# Altium PCB TestMod_SEAx.PcbDoc (part 2 of 3) (continued)
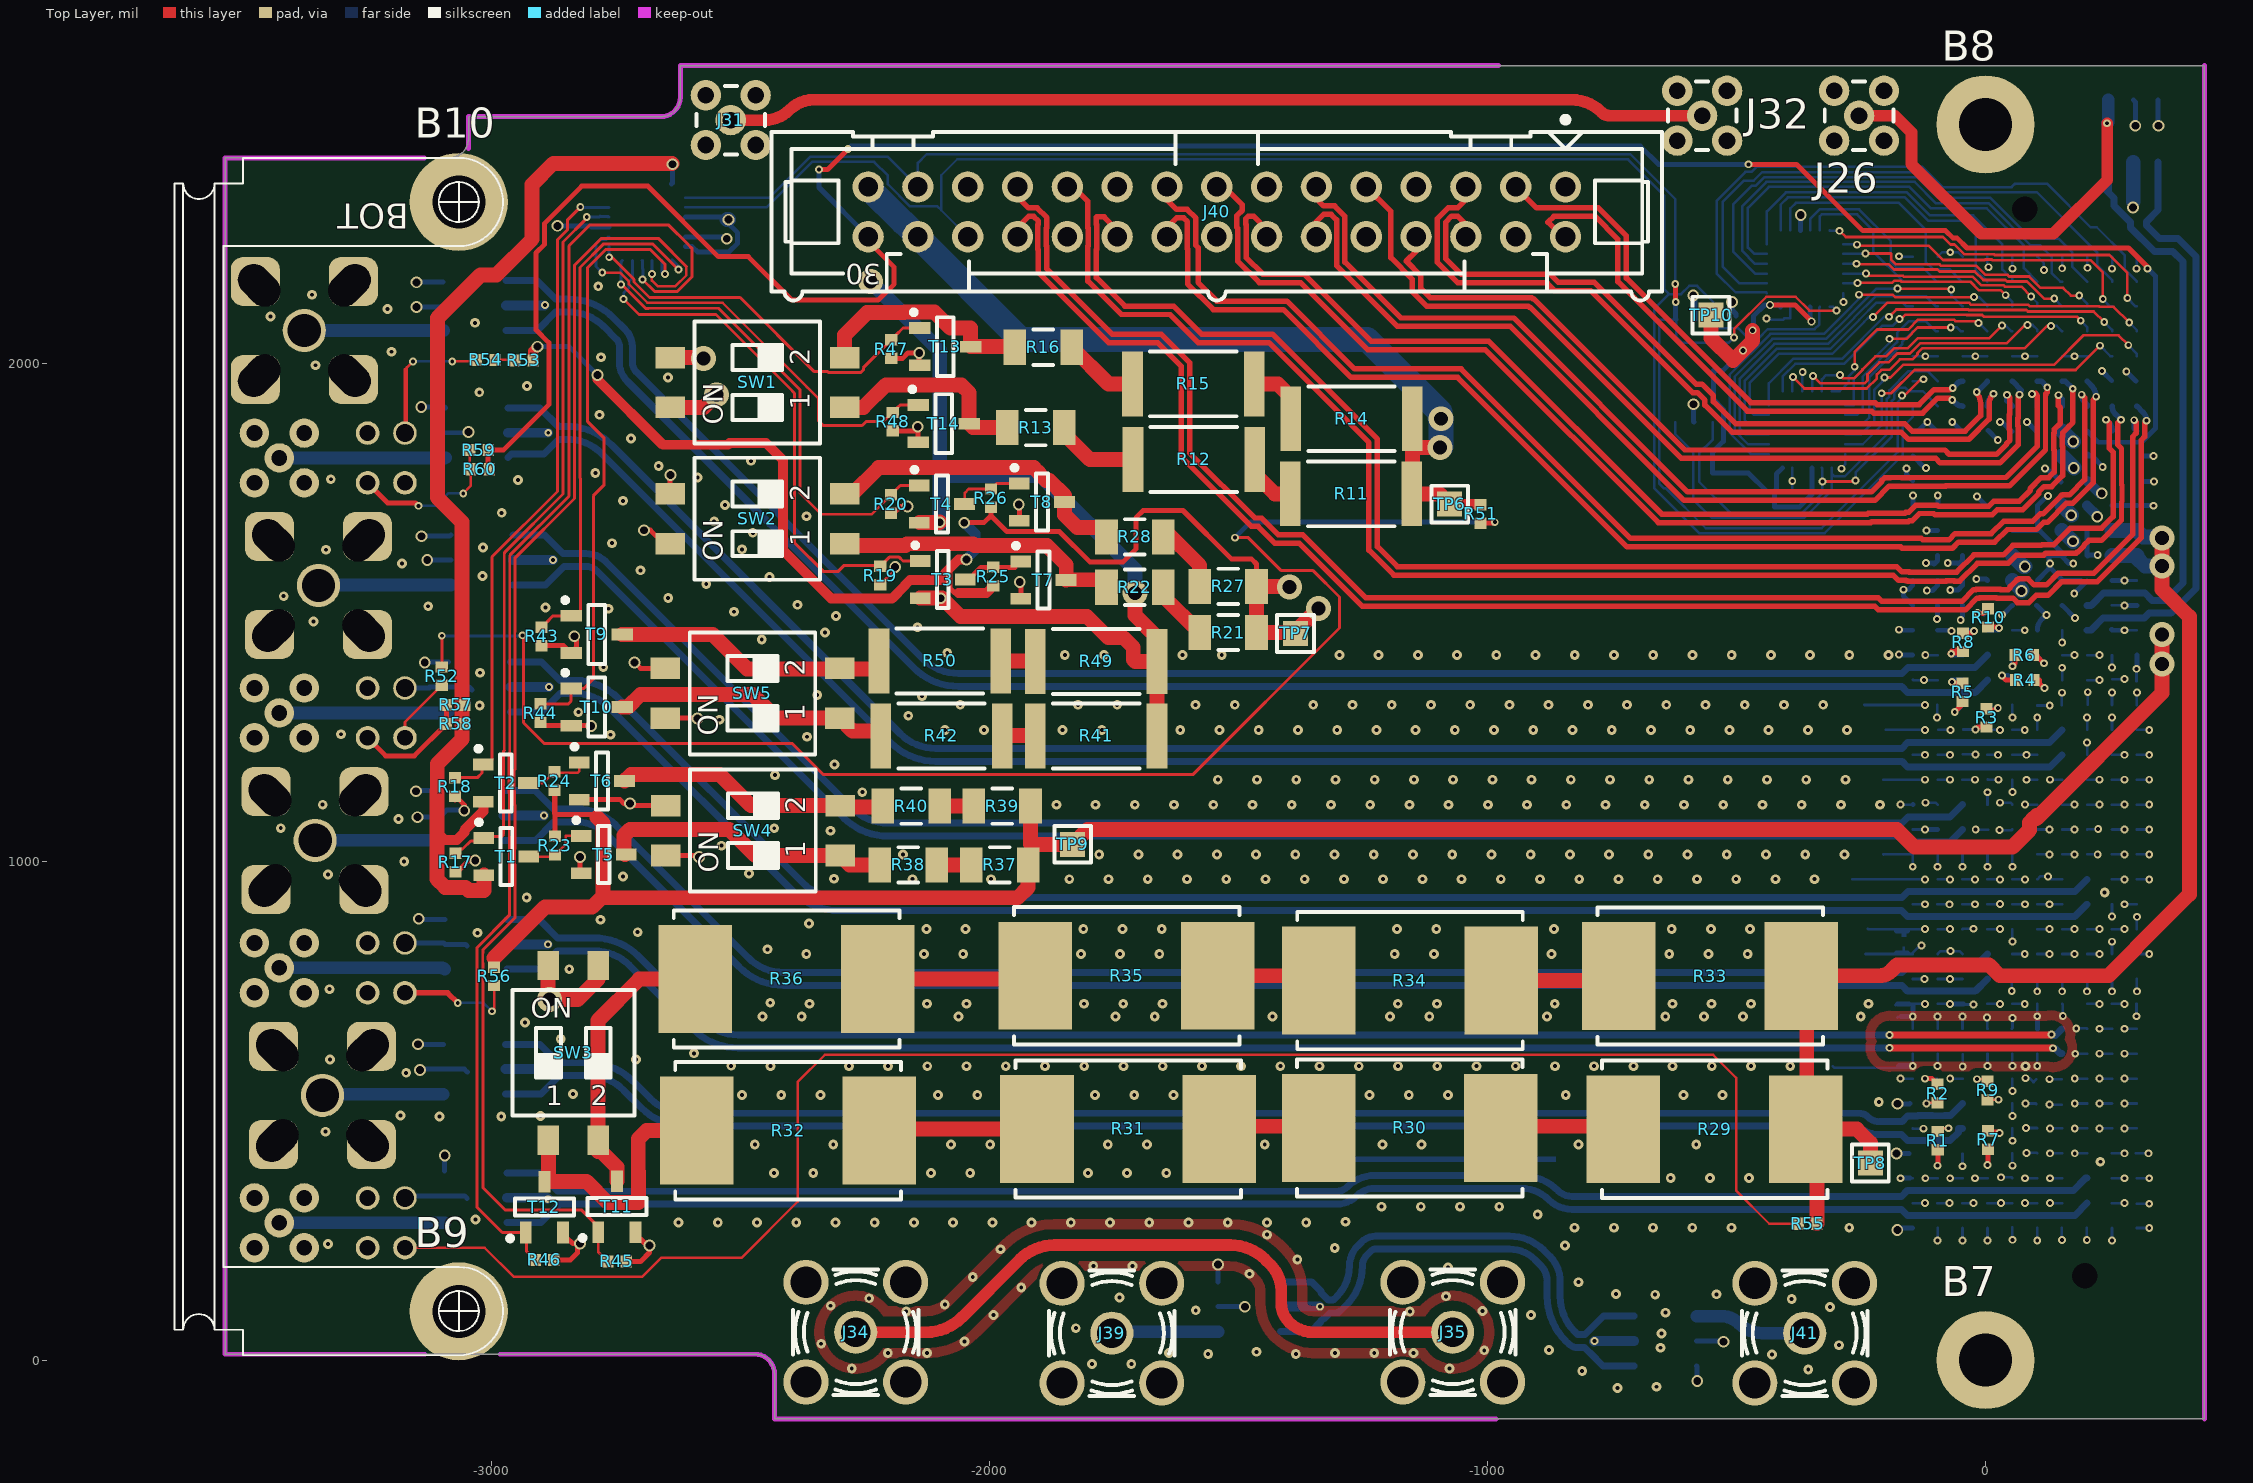
[diagram p0: Top Layer view]
## Nets (pads, with @x,y where several pads share a name; then routed paths per layer and width w, separated by ;. In a path a pad name is that pad's centre, name@x,y a point inside that pad or via, vN(x,y) a via of type N, cw(c..) or ccw(c..) an arc to the next point about the centre after c; other vN are vias at no path point) (continued)
  Bottom Layer w10: LD6.1@-3176.22,329.95 -3053.42,329.95 -3048.26,324.79 ; LD7.1@-3173.03,1349.21 -3124.04,1349.21 ; LD8.1@-3170.1,837.47 -3095.67,837.47 TR2.2@-3092.93,834.73 -3051.51,834.73 -3048,831.22 ; v3(-3151,1142) -3149.55,1143.45 TR6.1@-3099.93,1143.45 ; v3(-3150,2163.53) cw(c-3148.47,2162) -3148.47,2164.17 TR8.1@-3097.08,2164.17 ; v3(-3149.77,2114.17) TR8.2@-3097.08,2114.17 ; v3(-3148,1090) -3103.38,1090 TR6.2@-3099.93,1093.45 -3089.38,1104 -3055,1104 v3(-3054,1103) ; v3@-3146.97,633.97 TR5.1@-3095.93,633.97 ; v3(-3145.37,886) -3144.1,884.73 TR2.1@-3092.93,884.73 ; v3(-3142.74,582.35) -3141.12,583.97 TR5.2@-3095.93,583.97 -3053.67,583.97 -3047.7,578 ; v3(-3140.41,1913.25) -3093.29,1913.25 TR4.1@-3091.67,1911.64 ; v3(-3140,1654) -3083.09,1654 TR7.1@-3080.93,1656.16 ; v3(-3133.26,1400.68) -3122.57,1400.68 -3121.99,1401.27 TR3.1@-3085.97,1401.27 ; v3(-3128.23,1606.45) -3127.93,1606.16 TR7.2@-3080.93,1606.16 ; -3124.04,1351.27 TR3.2@-3085.97,1351.27 -3044.34,1351.27 -3038.33,1345.26 ; TR1.1@-3093.93,379.95 -3093.93,409.82 v3(-3093,410.75) ; TR4.2@-3091.67,1861.64 -3046.73,1861.64 v3(-3045.36,1863) ; v3(-2867,2277) -2866.87,2277.13 -2800.6,2277.13 -2798.08,2274.61 IC2.9@-2763.78,2274.61 ; v3@-2835,1453 v3(-2833,1453) ; IC2.23@-2610.24,2254.92 -2530.92,2254.92 v3(-2527,2251) ; TR21.2@-1540.95,107.28 v3(-1487,107.28) ; TR21.1@-1540.95,157.28 v3(-1540.95,192) ; v3(-587,2137) -586.37,2137 -583.66,2134.29 IC1.2@-583.66,2088.58 ; v3(-586.63,1919) -586.63,1883.87 IC5.2@-585.63,1882.87 ; TR22.1@-580.12,-11.61 -579,-12.73 v3(-579,-42) ; TR22.2@-580.12,38.39 -527.39,38.39 v3(-526,37) ; v3(-509,2124) -509,2110 -510,2109 -500.98,2099.98 C45.1@-500.98,2096.46 ; IC4.9@-372.05,2267.71 -372.05,2297.95 v3(-371,2299) ; -179.16,817 J22.k12@-156.9,817 ; -178.98,861 J22.k13@-156.71,861 ; v3(-178.65,414.65) -154.07,414.65 J22.k4@-153.91,414.8 ; v3(-177.16,261) -173,265.16 J22.k1@-146.26,265.16 ; v3(-177,514.65) -152.42,514.65 J22.k6@-152.26,514.8 ; -176.47,714.8 J22.k10@-154.21,714.8 ; -175.19,591 v2@-152.92,591 ; v2@-174.24,366 J22.k3@-151.98,366 ; -171.11,690 v2@-148.84,690 ; v2@-168.53,1415.16 J22.k24@-146.26,1415.16 ; v2@-168.53,1465.16 J22.k25@-146.26,1465.16 ; v2(-159,1790) -159,1777.9 J22.k31@-146.26,1765.16 ; J22.k18@-146.26,1115.16 J22.k18@-145.74,1115.16 ; J22.k26@-146.26,1515.16 -165,1533.9 v2(-165,1546.58) -154.94,1546.58 -146.26,1555.26 J22.k27@-146.26,1565.16 ; J22.k30@-146.26,1715.16 -146,1715.42 v2(-146,1736) ; J22.k32@-146.26,1815.16 -122.1,1791 v2(-120,1791) ; J22.k33@-146.26,1865.16 -135.32,1865.16 v2(-117,1883.48) J22.j33@-97.47,1863.95 ; v2@-145.56,688.82 J22.k10@-145.56,711.09 ; v2(-121.46,1065.16) J22.j17@-96.26,1065.16 ; v2(-119.56,1600) -105.52,1600 -103.52,1598 -96.26,1605.26 J22.j28@-96.26,1615.16 ; v2(-118.53,1665.16) J22.j29@-96.26,1665.16 ; v2(-118,1545) -106.52,1545 -96.26,1555.26 J22.j27@-96.26,1565.16 ; J22.j25@-96.26,1465.16 v2@-74,1465.16 ; v2@-96.26,1492.9 J22.j26@-96.26,1515.16 ; J22.j30@-96.26,1715.16 -96,1715.42 v2(-96,1736) ; v2(-76,1600) -55.52,1600 -53.52,1598 -46.26,1605.26 J22.h28@-46.26,1615.16 ; v2(-71,1546) -55.52,1546 -46.26,1555.26 J22.h27@-46.26,1565.16 ; v2@-69.26,714.8 -45.91,714.8 -44.68,714.8 J22.h10@-44.53,714.96 ; v2(-67,1883.48) J22.h33@-47.47,1863.95 ; J22.h25@-46.26,1465.16 v2@-24,1465.16 ; -46.26,1493.74 J22.h26@-46.26,1516 ; v2(-18.7,1568) 0.9,1568 J22.g27@3.74,1565.16 ; v2(-17,1733.48) J22.g30@2.53,1713.95 ; v2(-16,1500) -5.52,1500 -3.52,1498 3.74,1505.26 J22.g26@3.74,1515.16 ; J22.g33@4.95,1866.37 v2(24.47,1846.84) ; v2(29,1883) 33.48,1883 J22.f33@52.53,1863.95 ; v2(33,1496.21) 34.79,1496.21 J22.f26@53.74,1515.16 ; J22.f29@53.74,1665.16 J22.e29@103.74,1665.16 ; v2(83,1883.48) J22.e33@102.53,1863.95 ; J22.e26@102,1515.29 121.29,1496 113.14,1487.85 ccw(c135.83,1465.16) J22.e25@103.74,1465.16 ; J22.e9@103.74,665.16 v2(103.74,690.35) ; J22.e27@103.74,1565.16 127.07,1588.49 ; J22.e28@103.74,1615.16 125.84,1615.16 ; v2(119,1790) 122.58,1790 130.58,1782 140.94,1773.85 J22.d31@151.75,1763.04 ; v2(125,1735) 123.57,1735 J22.e30@103.74,1715.16 J22.e29@103.74,1665.16 ; v2(129.58,1599) 129.58,1591 ; J22.d26@153.74,1515.16 v2(179.37,1489.53) cw(c177.84,1488) v2@180,1488 ; J22.d27@153.74,1565.16 191.05,1565.16 J22.c27@191.55,1564.66 ; J22.d27@154,1566 129.58,1590.42 129.58,1591 ; v2(176,1599) 167.57,1599 153.74,1612.83 J22.d28@153.74,1615.16 ; v2(177.98,1538.79) J22.c27@203.61,1564.42 ; J22.c29@203.74,1665.16 J22.c28@203.74,1615.16 204.95,1613.95 207.12,1616.12 v2(225,1616.12) ; J22.c32@203.74,1815.16 J22.c32@208.94,1815.16 ; J22.c32@204.98,1819.12 J22.c32@208.94,1815.16 ; v2(233.69,1985.53) J22.b35@253.22,1966 ; v2(235,1793) 235,1793.69 213.54,1815.16 J22.c32@208.94,1815.16 ; J22.b25@253,1467 cw(c251.22,1465.22) J22.b25@253.74,1465.16 J22.b25@253.74,1465.16 v2(278.93,1465.16) ; J22.b27@253.74,1565.16 v2(278.93,1565.16) ; J22.b30@253.74,1715.16 J22.a30@303.74,1715.16 ; v2(278.54,1515.16) J22.a26@303.74,1515.16 ; v2(282.43,1984.69) J22.a35@301.96,1965.16 ; TR11.2@296.41,2529.86 300.58,2525.69 v3(300.58,2478) ; v2(303,1387.81) ccw(c301.22,1389.59) 303.74,1389.59 J22.a24@303.74,1415.16 ; J22.a30@315,1715.16 v2(337.26,1715.16) ; J22.a32@315,1815.16 v2(337.26,1815.16) ; J22.a31@316,1764 v2(338.26,1764) ; TR11.1@346.41,2529.86 346.41,2479.43 ccw(c348.43,2479.43) v3(347,2478) ; J22.e29@103.74,1665.16 108.84,1665.16 158.84,1615.16 J22.d28@153.74,1615.16 ; 125.84,1615.16 J22.d28@153.74,1615.16 ; 125.84,1615.16 127.07,1613.93 127.07,1590.33 ; 127.08,1588.5 ccw(c123.93,1591.63) 128.37,1591.63 127.07,1590.33 ; 127.08,1588.5 129.58,1591 ; 127.07,1588.49 127.07,1590.33
  Bottom Layer w20: TR6.5@-2974.73,1093.45 v2(-2894,1093.45) ; TR5.5@-2970.73,583.97 v2(-2888,583.97) ; TR8.5@-2970.4,2117 v2@-2893,2117 ; TR1.5@-2968.4,326 -2887.71,326 -2886,324.29 v2(-2886,323) ; TR2.5@-2967.73,834.73 v2@-2886.81,834.73 ; TR4.5@-2966.47,1861.64 v2(-2885.36,1861.64) ; TR3.5@-2960.77,1351.27 v2(-2884,1351.27) ; TR7.5@-2955.73,1606.16 -2876.3,1606.16 v2(-2876.15,1606.31) v2@-2876,1606.45 ; TR21.5@-1415.75,107.28 v2@-1337.28,107.28 ; v2@-786,37.39 v2(-785,38.39) TR22.5@-705.32,38.39
  Bottom Layer w30: 296.41,2326.03 TR11.5@296.41,2404.66
  other v1: -739.15,-56.18 -660.46,-53.41 -809.9,-21.6 -355.98,-18.64 -2276.13,-16.55 -1076.15,-16.79 -1793.61,-7.49 -1714.87,-7.85 -428.77,11.39 -1560.66,12.54 -1384.7,12.54 -2203.69,14.3 -2124.95,14.32 -1639.38,14.54 -1305.98,14.3 -1227.24,14.3 -1148.5,14.3 -1463.33,16.69 -1006.37,19.69 -876.43,20.51 -652.45,24.92 -294.07,30.02 -2337.47,32.83 -2049.59,37.15 -650.82,53.61 -1826.34,64.12 -1991.59,90.4 -912.46,90.52 -642.38,95.25 -2166.81,97.91 -1155.79,97.91 -1010.16,98.33 -1585.62,100.03 -312.17,106.65 -2318.41,109.23 -2089.28,111.66 -389.31,122.42 -2241.08,124.06 -1738.74,125.85 -1083.06,128.09 -663.29,131.35 -742.02,132.57 -539.93,132.11 -1935.91,146.08 -817.03,156.53 -2033.25,166.98 -1477.87,173.29 -1079.15,186.08 -1791.21,189.2 -1712.47,189.2 -1381.69,201.82 -1977.57,222.66 -1306.56,225.38 -844.63,230.28 -3327.23,232.84 -1442.56,251.78 -824.97,265.86 -746.23,265.86 -667.49,265.86 -588.75,265.86 -510.01,265.86 -273.79,265.86 -2623.76,276.08 -2545.02,276.08 -2466.28,276.08 -2387.54,276.08 -2308.8,276.08 -2230.06,276.08 -2151.32,276.08 -2072.58,276.08 -1993.84,276.08 -1915.1,276.08 -1836.36,276.08 -1757.62,276.08 -1678.88,276.08 -1600.14,276.08 -1521.4,276.08 -1442.66,276.08 -1363.92,276.08 -1285.19,277.78 -3031.34,282.61 -899.18,292.21 -1212.52,308.08 -1133.78,308.08 -1055.04,308.08 -976.3,308.08 -632.18,365.7 -553.44,365.7 -474.7,365.7 -2432.07,375.92 -2353.33,375.92 -2117.11,375.92 -2038.37,375.92 -1802.15,375.92 -1723.41,375.92 -1644.67,375.92 230.31,398.18 -2470.69,432.7 -2313.21,432.7 -2076.99,432.7 -1998.25,432.7 -1762.03,432.7 -1683.29,432.7 -1447.07,432.7 -1210.85,432.7 -1132.11,432.7 -817.15,432.7 -580.93,432.7 -3332.61,458.56 -3103.51,489.23 -2979.72,489.23 -2900.99,489.79 -3182.22,491.22 -214.33,518.01 -2496.44,532.53 -2417.7,532.53 -2338.96,532.53 -2102.74,532.53 -2024,532.53 -1787.78,532.53 -1709.04,532.53 -1630.3,532.53 -1236.6,532.53 -1157.86,532.53 -1079.12,532.53 -842.9,532.53 -606.67,532.53 -527.93,532.53 -2835.86,534.05 -3170.5,576.72 -2439.37,590.08 -2281.89,590.08 -2203.15,590.08 -2124.41,590.08 -2045.67,590.08 -1966.93,590.08 -1888.19,590.08 -1809.45,590.08 -1730.71,590.08 -1651.97,590.08 -1573.23,590.08 -1494.49,590.08 -1415.75,590.08 -1337.01,590.08 -1258.27,590.08 -1179.53,590.08 -1100.79,590.08 -1022.05,590.08 -943.31,590.08 -864.57,590.08 -785.83,590.08 -707.09,590.08 -628.35,590.08 -549.61,590.08 -470.87,590.08 -392.13,590.08 80.31,590.08 -2518.11,590.76 -3323.39,603.22 -2709.4,603.43 -2592.71,615.95 -2860.38,644.56 -2931.73,677.85 -2455.33,689.92 -2376.58,689.92 -2061.62,689.92 -1746.66,689.92 -1667.92,689.92 -1431.7,689.92 -1195.48,689.92 -1116.74,689.92 -880.52,689.92 -643,689.92 -565.56,689.92 -486.82,689.92 -250.6,689.92 -2361.02,715.36 -2124.8,715.36 -2046.06,715.36 -1809.84,715.36 -1731.1,715.36 -1652.36,715.36 -1179.92,715.36 -1101.18,715.36 -864.96,715.36 -628.74,715.36 -550,715.36 -471.26,715.36 -235.04,715.36 -2439.74,717.45 -3324.74,744.65 -2843.21,784.81 -2367.35,815.2 -2131.13,815.2 -2052.39,815.2 -1816.17,815.2 -1737.43,815.2 -1658.69,815.2 -1186.25,815.2 -1107.51,815.2 -871.29,815.2 -635.07,815.2 -556.33,815.2 -477.59,815.2 -2445.52,824.62 -3027.2,857.76 -2705.77,859.1 -2126.27,865.64 -2047.53,865.64 -1811.31,865.64 -1732.57,865.64 -1653.83,865.64 -1181.39,865.64 -1102.65,865.64 -866.43,865.64 -630.21,865.64 -551.47,865.64 -472.73,865.64 -2361.73,876.54 -2780.47,884.02 -2928.63,928.6 239.03,938.61 -2154.29,965.48 -1996.81,965.48 -1839.33,965.48 -1760.59,965.48 -1681.85,965.48 -1603.11,965.48 -1524.37,965.48 -1445.63,965.48 -1366.89,965.48 -1288.15,965.48 -1209.41,965.48 -1130.67,965.48 -1051.93,965.48 -973.19,965.48 -894.45,965.48 -815.71,965.48 -736.97,965.48 -658.23,965.48 -579.49,965.48 -500.75,965.48 -422.01,965.48 -343.27,965.48 -2311.77,966.37 -2735.59,970.61 -3327.7,974.83 -2482.19,976.98 -3174.59,1000.7 -2173.11,1015.08 -1779.41,1015.08 -1700.66,1015.08 -1621.92,1015.08 -1543.18,1015.08 -1464.44,1015.08 -1385.7,1015.08 -1306.96,1015.08 -1228.22,1015.08 -1149.48,1015.08 -1070.74,1015.08 -992,1015.08 -913.26,1015.08 -834.52,1015.08 -755.78,1015.08 -677.04,1015.08 -598.3,1015.08 -519.56,1015.08 -440.82,1015.08 -362.08,1015.08 -283.34,1015.08 -2537.87,1032.66 -2319.02,1062.67 -3422.31,1067.88 -2431.65,1067.63 -3186.17,1086.2 -3338.19,1115.03 -1865.32,1114.92 -1786.58,1114.92 -1707.84,1114.92 -1629.1,1114.92 -1550.36,1114.92 -1471.62,1114.92 -1392.88,1114.92 -1314.14,1114.92 -1235.4,1114.92 -1156.66,1114.92 -1077.92,1114.92 -999.18,1114.92 -920.44,1114.92 -841.7,1114.92 -762.96,1114.92 -684.22,1114.92 -605.48,1114.92 -526.74,1114.92 -448,1114.92 -369.26,1114.92 -290.52,1114.92 -211.78,1114.92 -2254.88,1140.1 -1541.32,1165.24 -1462.58,1165.24 -1383.84,1165.24 -1305.1,1165.24 -1226.36,1165.24 -1147.62,1165.24 -1068.88,1165.24 -990.14,1165.24 -911.4,1165.24 -832.66,1165.24 -753.92,1165.24 -675.18,1165.24 -596.44,1165.24 -517.7,1165.24 -438.96,1165.24 -360.22,1165.24 -281.48,1165.24 -2430.19,1174.21 -2310.56,1195.77 -2366.24,1251.45 -2760.58,1255.37 -3301.66,1256.46 -2089.11,1265.08 -2010.37,1265.08 -1852.89,1265.08 -1774.15,1265.08 -1616.67,1265.08 -1537.93,1265.08 -1459.19,1265.08 -1380.45,1265.08 -1301.71,1265.08 -1222.97,1265.08 -1144.22,1265.08 -1065.48,1265.08 -986.74,1265.08 -908,1265.08 -829.26,1265.08 -750.52,1265.08 -671.78,1265.08 -593.04,1265.08 -514.3,1265.08 -435.56,1265.08 -356.82,1265.08 -278.08,1265.08 -2541.54,1285.56 -2162.53,1293.51 -2824.98,1300.68 -3023.03,1313.93 -2058.29,1315.54 -1822.07,1315.54 -1743.33,1315.54 -1585.85,1315.54 -1507.11,1315.54 -1349.63,1315.54 -1270.89,1315.54 -1192.15,1315.54 -1113.41,1315.54 -1034.67,1315.54 -955.93,1315.54 -877.19,1315.54 -798.45,1315.54 -719.71,1315.54 -640.97,1315.54 -562.23,1315.54 -483.49,1315.54 -404.75,1315.54 -326.01,1315.54 -2135.13,1332.72 -2345.43,1335.22 -3022.19,1379.92 -2774.77,1390.84 -1848.37,1415.38 -1769.63,1415.38 -1612.15,1415.38 -1533.41,1415.38 -1297.19,1415.38 -1218.45,1415.38 -1139.71,1415.38 -1060.96,1415.38 -982.22,1415.38 -903.48,1415.38 -824.74,1415.38 -746,1415.38 -667.26,1415.38 -588.52,1415.38 -509.78,1415.38 -431.04,1415.38 -352.3,1415.38 -273.56,1415.38 -194.82,1415.38 -2084.47,1419.72 -2456.79,1446.57 -2329.57,1460.55 -2144.02,1471.23 -3356.38,1482.7 -2307.65,1493.67 -2512.46,1502.25 -2764.26,1508.27 -2890.94,1510.71 -3126.39,1513.41 -2385.24,1516.22 -2644.63,1529.84 -3416.48,1533.58 -2568.14,1557.93 -2440.92,1571.9 -3017.63,1573.87 -2700.31,1585.52 -3178.9,1598.91 -3331.26,1626.84 -2496.6,1627.58 -3016.19,1631.59 -2757.22,1639.93 -2474.68,1660.7 -2552.28,1683.26 -2366.73,1693.94 -2978.83,1700.9 -2530.36,1716.38 -2735.17,1724.96 -2945.79,1766.89 -3321.88,1768.28 -2586.04,1772.06 -2790.85,1780.64 -2663.63,1794.61 -2478.09,1805.3 -2719.31,1850.29 -2782.27,1897.58 -3023.78,1942.75 -2927.87,1955.57 -2645.12,1972.33 -3352.66,1997.13 -2779.45,2013.22 -3200,2024.25 -3032.63,2082.26 -3442.64,2094.69 -3207.85,2109.75 -3359.84,2138.65 -2785.02,2155.59
  other v2: -1336,107.28 -2885.71,834.73 -173.76,1416.32 -68.76,1464 -173.76,1466.32 -50.02,1485.9 -97.42,1487.66 122.14,1496 -2892,2118
  other v3: -2821.85,234 -3147,634 -3032,1003 296,2314
  other v4: -2573.82,2011.02
LO_IN_N: C20.1 J22.c25 TR11.6 | length 1180.9
  Bottom Layer w14: J22.c25@203.74,1465.16 211.3,1465.16 235.9,1489.76 318.53,1489.76 328.12,1499.35 372.12,1499.35 421.97,1549.21 421.97,2215.79 386.44,2251.33 349.44,2251.33 323,2277.77 323,2285.23 346.41,2308.64 TR11.6@346.41,2404.66
LO_IN_P: C21.1 J22.c26 TR11.4 | length 1156.3
  Bottom Layer w14: J22.c26@203.74,1515.16 212,1515.16 236.6,1539.76 319.85,1539.76 334.26,1525.35 361.35,1525.35 395.97,1559.97 395.97,2205.03 375.67,2225.33 338.67,2225.33 290.38,2273.62 290.38,2284.99 258.07,2317.3 258.07,2332.64 C21.1@246.41,2344.3 ; C21.1@242.71,2348 C21.1@246.41,2344.3 ; TR11.4@246.41,2404.66 C21.1@246.41,2344.3
LVDS0_N: J22.h35 J40.3 | length 1146.5
  Top Layer w11: J40.3@-943.31,2355.11 -901.45,2313.26 -896,2313.26 -895.86,2313.12 -825.91,2313.12 -825.77,2313.26 -777.22,2313.26 -721,2257.04 -721,2172 -471,1922 -222,1922 -217.92,1917.92 -133.42,1917.92 -103.3,1948.04 -74.39,1948.04 ccw(c-74.39,1959.99) v2(-65.94,1951.54)
  Bottom Layer w11: v2(-65.94,1951.54) J22.h35@-56.62,1960.87 ; J22.h35@-56.61,1960.88 cw(c-46.26,1950.51) J22.h35@-46.26,1965.16
LVDS0_P: J22.h34 J40.2 | length 1115.7
  Top Layer w11: J40.2@-843.31,2255.11 -849.11,2255.11 -878.5,2284.5 -866.88,2296.12 -818.87,2296.12 -818.73,2296.26 -784.26,2296.26 -738,2250 -738,2164.96 -478.04,1905 -229.04,1905 -224.96,1900.92 -126.38,1900.92 -96.26,1931.04 -75.38,1931.04 cw(c-75.38,1919.09) v2(-66.93,1927.54)
  Bottom Layer w11: v2(-66.93,1927.54) -60.4,1921.01 ccw(c-46.26,1935.15) -57.18,1918.4 ccw(c-46.26,1935.15) J22.h34@-46.26,1915.16
LVDS1_N: J22.g35 J40.6 | length 1468.4
  Top Layer w11: J40.6@-1043.31,2255.11 -1043.31,2279.57 -1060,2296.26 -1071.74,2296.26 -1084,2284 -1084,2211 -1052.4,2179.4 -873.36,2179.4 -857.96,2164 -786,2164 -581.31,1959.31 -569.35,1959.31 -546.32,1936.28 -546.32,1924.32 -501.38,1879.38 -162,1879.38 -147.73,1865.1 -40.9,1865.1 -9.98,1896.02 -9.98,1920.87 ccw(c-39.76,1920.87) -18.7,1941.93 -17.79,1942.84 v2(-17.79,1943.63)
  Bottom Layer w11: v2(-17.79,1943.63) -17,1943.63 3.18,1963.81 ccw(c1.83,1965.16) J22.g35@3.74,1965.16
LVDS1_P: J22.g34 J40.5 | length 1546
  Top Layer w11: J40.5@-1043.31,2355.11 -1043.31,2329.95 -1060,2313.26 -1078.78,2313.26 -1101,2291.04 -1101,2203.96 -1059.44,2162.4 -880.4,2162.4 -865,2147 -793.04,2147 -588.35,1942.31 -578.39,1942.31 -563.32,1927.24 -563.32,1917.28 -508.42,1862.38 -169.04,1862.38 -154.77,1848.1 -33.85,1848.1 7.02,1888.98 7.02,1918.9 cw(c36.81,1918.9) v2(15.75,1939.96)
  Bottom Layer w11: J22.g34@3.74,1915.16 cw(c34.62,1915.16) 12.78,1937 v2(15.75,1939.96)
LVDS2_N: J22.f35 J40.9 | length 1767
  Top Layer w11: J40.9@-1243.31,2349 J40.9@-1243.31,2355.11 -1194,2305.81 -1194,2212.96 -1151,2169.96 -1151,2144.96 -1122.04,2116 -918.31,2116 -916.31,2114 -914.9,2114 -610.9,1810 -99.97,1810 -91.18,1801.2 28.86,1801.2 65.63,1837.96 65.63,1874.87 64.63,1875.87 64.63,1891.09 65.63,1892.09 65.63,1935.63 v2(68,1938)
  Bottom Layer w11: J22.f35@53.74,1965.16 72,1946.9 68,1942.9 v2(68,1938)
LVDS2_P: J22.f34 J40.8 | length 1578.4
  Top Layer w11: J40.8@-1143.31,2255.11 -1143.31,2225.69 -1163,2206 -1134,2177 -1134,2152 -1115,2133 -911.27,2133 -909.27,2131 -907.86,2131 -603.86,1827 -81.8,1827 -73,1818.2 21.82,1818.2 42.85,1839.23 42.85,1840.64 48.63,1846.42 48.63,1867.83 47.63,1868.83 47.63,1898.13 48.63,1899.13 48.63,1932.07 v2(42.91,1937.78)
  Bottom Layer w11: v2(42.91,1937.78) 42.91,1925.98 J22.f34@53.74,1915.16
LVDS3_N: J22.e35 J40.12 | length 1987.9
  Top Layer w11: J40.12@-1343.31,2255.11 -1343.31,2285.69 -1329,2300 -1314,2300 -1303,2289 -1303,2197 -1181,2075 -954.04,2075 -605.04,1726 -222.16,1726 -193.54,1754.63 -80.17,1754.63 -80,1754.79 47.72,1754.79 120.23,1827.3 120.23,1936.62 cw(c127.83,1936.62) 122.45,1942 123.69,1943.24 v2(123.69,1952.87)
  Bottom Layer w11: J22.e35@103.74,1965.16 111.95,1965.16 122.45,1954.65 121.29,1953.49 122.14,1952.63 122.38,1952.87 v2(123.69,1952.87)
LVDS3_P: J22.e34 J40.11 | length 1954.4
  Top Layer w11: J40.11@-1343.31,2355.11 -1343.31,2331.31 -1329,2317 -1306.96,2317 -1286,2296.04 -1286,2204.04 -1173.96,2092 -947,2092 -598,1743 -229.2,1743 -208.04,1764.16 -208.04,1766 -202.42,1771.63 -191.37,1771.63 -191.21,1771.79 -168.39,1771.79 -168.22,1771.63 -151.39,1771.63 -151.22,1771.79 40.68,1771.79 103.23,1834.34 103.23,1934.58 ccw(c95.62,1934.58) 101,1939.96 100.49,1940.47 99.76,1939.75 v2(93.13,1939.75)
  Bottom Layer w11: v2(93.13,1939.75) 99.73,1939.75 103.74,1935.74 J22.e34@103.74,1915.16
LVDS4_N: J22.d35 J40.15 | length 2313.4
  Top Layer w11: J40.15@-1543.31,2355.11 -1528.11,2355.11 -1492.02,2319.02 -1492.02,2308.28 -1503,2297.3 -1503,2274.2 -1501.31,2272.51 -1501.31,2206.31 -1458,2163 -1375.04,2163 -1240.04,2028 -1003.93,2028 -656.94,1681.01 -230.95,1681.01 -228.96,1683 -154.82,1683 -153.2,1684.63 -147.67,1684.63 -132.76,1699.53 -104.29,1699.53 -101.46,1696.7 12.99,1696.7 23.44,1707.15 74.85,1707.15 106.63,1738.93 106.63,1742.61 117.39,1753.37 132.61,1753.37 154.69,1775.45 154.69,1833.76 153.69,1834.76 153.69,1853.24 154.69,1854.24 154.69,1861.37 167.32,1874 167,1874.32 175,1882.32 175,1929.92 174.54,1930.38 174.54,1945.6 175,1946.06 v2(175,1950)
  Bottom Layer w11: J22.d35@153.74,1965.16 159.84,1965.16 v2(175,1950)
LVDS4_P: J22.d34 J40.14 | length 2210
  Top Layer w11: J40.14@-1443.31,2255.11 -1443.31,2270.08 -1469.49,2296.26 -1480,2296.26 -1485.31,2290.95 -1485.31,2280.55 -1484.31,2279.55 -1484.31,2213.35 -1450.96,2180 -1367.99,2180 -1232.99,2045 -996.89,2045 -649.9,1698.01 -237.99,1698.01 -236,1700 -161.86,1700 -160.24,1701.63 -154.71,1701.63 -139.81,1716.53 -97.25,1716.53 -94.42,1713.7 5.95,1713.7 16.4,1724.15 67.81,1724.15 89.63,1745.97 89.63,1749.65 111.6,1771.63 126.61,1771.63 137.69,1782.7 137.69,1826.72 136.69,1827.72 136.69,1860.28 137.69,1861.28 137.69,1868.41 150,1880.72 150,1912 146,1916 v2(146,1937)
  Bottom Layer w11: v2(146,1937) 153.74,1929.26 J22.d34@153.74,1915.16
LVDS5_N: J22.c35 J40.18 | length 2502.9
  Top Layer w11: J40.18@-1643.31,2255.11 -1643.31,2273.69 -1624,2293 -1609.96,2293 -1602.3,2285.34 -1602.3,2230.68 -1602,2230.38 -1602,2160.68 -1550.32,2109 -1409.6,2109 -1273.6,1973 -1060.08,1973 -719.6,1632.52 -170.57,1632.52 -167.83,1629.78 -66.51,1629.78 -54.3,1642 18.29,1642 43.71,1667.42 102,1667.42 116.49,1681.91 123.78,1681.91 162.02,1720.15 175.12,1720.15 216.31,1761.34 216.31,1880.76 215.69,1881.39 215.69,1927.3 222,1933.61 v2(222,1934)
  Bottom Layer w11: J22.c35@203.74,1965.16 J22.c35@211.3,1957.6 ; J22.c35@211.32,1957.58 cw(c186.77,1933.07) 221.46,1933.07 222,1933.61 v2(222,1934)
LVDS5_P: J22.c34 J40.17 | length 2473
  Top Layer w11: J40.17@-1643.31,2355.11 -1643.31,2329.31 -1624,2310 -1602.92,2310 -1585.3,2292.39 -1585.3,2237.72 -1581,2233.42 -1581,2163.72 -1543.28,2126 -1402.56,2126 -1266.56,1990 -1053.04,1990 -712.56,1649.52 -128.88,1649.52 -126.14,1646.78 -73.55,1646.78 -61.34,1659 11.25,1659 36.66,1684.42 94.96,1684.42 109.45,1698.91 115,1698.91 152.24,1736.15 153.98,1736.15 154.98,1737.15 168.07,1737.15 198.69,1767.76 198.69,1781.13 199.31,1781.76 199.31,1800.24 198.69,1800.87 198.69,1932.22 v2(192.91,1937.99)
  Bottom Layer w11: v2(192.91,1937.99) ccw(c214.36,1937.99) 199.18,1922.84 203.74,1918.29 J22.c34@203.74,1915.16
LVDS6_N: J22.b34 J40.21 | length 2958.4
  Top Layer w11: J40.21@-1843.31,2355.11 -1831.11,2355.11 -1802,2326 -1802,2273.2 -1801.31,2272.51 -1801.31,2237.03 -1802,2236.34 -1802,2166 -1735,2099 -1637,2099 -1580.62,2042.62 -1438.62,2042.62 -1238,1842 -1238,1625.96 -1188.04,1576 -185.49,1576 -174.87,1565.37 -160.39,1565.37 -159.97,1564.95 -157.39,1564.95 -156.44,1564 -78.98,1564 -78.61,1564.37 -63.39,1564.37 -63.02,1564 -51.96,1564 -16.43,1599.53 45.16,1599.53 61.63,1616 116.43,1616 120.43,1620 181.63,1620 183.02,1621.39 184.44,1621.39 197.51,1634.46 197.51,1635.87 207.28,1645.64 232.36,1645.64 272.8,1686.08 272.8,1722.64 273.8,1723.64 273.8,1756.2 272.8,1757.2 272.8,1829.57 265.33,1837.04 265.33,1881.39 v2(271.65,1887.71)
  Bottom Layer w11: J22.b34@253.74,1915.16 ccw(c276.74,1915.16) 260.47,1898.89 v2(271.65,1887.71)
LVDS6_P: J22.b33 J40.20 | length 2865.6
  Top Layer w11: J40.20@-1743.31,2255.11 -1743.31,2268.68 -1769.63,2295 -1784,2295 -1785,2294 -1785,2280.24 -1784.31,2279.55 -1784.31,2229.99 -1785,2229.3 -1785,2173.04 -1727.96,2116 -1629.96,2116 -1573.58,2059.62 -1431.58,2059.62 -1221,1849.04 -1221,1633 -1181,1593 -178.45,1593 -167.82,1582.37 -153.35,1582.37 -152.93,1581.95 -150.35,1581.95 -150.02,1581.63 -58.37,1581.63 -23.47,1616.53 35.53,1616.53 54.51,1635.51 111.9,1635.51 113.39,1637 137,1637 152.89,1652.89 152.89,1652.94 165.96,1666.01 166.01,1666.01 170,1670 232.67,1670 255.8,1693.12 255.8,1822.53 248.33,1830 248.33,1881.47 v2(242,1887.8)
  Bottom Layer w11: 247.65,1882.14 cw(c232.97,1867.45) 253.18,1872.25 cw(c232.97,1867.45) 253.74,1867.45 J22.b33@253.74,1865.16
LVDS7_N: J22.a34 J40.24 | length 3122.1
  Top Layer w11: J40.24@-1943.31,2255.11 -1943.31,2273.69 -1921,2296 -1911,2296 -1901.3,2286.3 -1901.3,2280.55 -1902.3,2279.55 -1902.3,2229.68 -1901.3,2228.68 -1901.3,2183.3 -1760.62,2042.62 -1662.22,2042.62 -1615,1995.4 -1615,1814.38 -1474.12,1673.5 -1460.5,1673.5 -1427.08,1640.08 -1378.12,1640.08 -1251.04,1513 -222.04,1513 -215.07,1506.03 -116.28,1506.03 -116.13,1505.87 -105.19,1505.87 -105.03,1506.03 -89.81,1506.03 -89.65,1505.87 -40.81,1505.87 -17.1,1529.58 -12.63,1529.58 -11.63,1530.58 21.48,1530.58 22.48,1529.58 54.87,1529.58 63.76,1520.69 86.69,1520.69 101.34,1535.34 125.19,1535.34 152.85,1563 224.39,1563 312,1650.61 312,1846.42 319.22,1853.64 319.22,1881.83 v2(323.21,1885.83)
  Bottom Layer w11: J22.a34@303.74,1915.16 316.24,1902.65 cw(c299.42,1885.83) v2(323.21,1885.83)
LVDS7_P: J22.a33 J40.23 | length 3087.7
  Top Layer w11: J40.23@-1943.31,2355.11 -1943.31,2335.31 -1921,2313 -1903.96,2313 -1884.3,2293.34 -1884.3,2273.51 -1885.3,2272.51 -1885.3,2236.72 -1884.3,2235.72 -1884.3,2190.34 -1753.58,2059.62 -1655.18,2059.62 -1598,2002.44 -1598,1821.42 -1467.08,1690.5 -1453.46,1690.5 -1420.04,1657.08 -1371.08,1657.08 -1244,1530 -215,1530 -208.03,1523.03 -47.69,1523.03 -24.14,1546.58 -19.67,1546.58 -18.67,1547.58 29.52,1547.58 30.52,1546.58 45.58,1546.58 45.58,1547.13 49.69,1551.24 49.69,1553.24 62.76,1566.31 64.76,1566.31 66.76,1568.31 85.24,1568.31 89.55,1564 97.43,1556.13 121.93,1556.13 145.81,1580 217.34,1580 295,1657.66 295,1853.46 302.22,1860.68 302.22,1882.82 v2(298.23,1886.81)
  Bottom Layer w11: v2(298.23,1886.81) 298.23,1870.67 J22.a33@303.74,1865.16
MEZZ1_IO0: IC4.1 J22.a39 | length 1252.7
  Bottom Layer w5: IC4.1@-438.97,2141.73 -440.56,2143.31 -501.66,2143.31 -540,2181.65 -540,2327.14 -482.02,2385.13 -469.63,2385.13 -458.76,2396 -128,2396 -86.7,2354.7 52.03,2354.7 58.16,2360.84 ; 58.16,2361 124,2361 210.79,2274.21 223.11,2274.21 279.53,2217.79 279.53,2189.37 J22.a39@303.74,2165.16
MEZZ1_IO1: IC4.2 J22.b39 | length 1146.8
  Bottom Layer w5: IC4.2@-438.97,2161.41 -494.41,2161.41 -527.42,2194.42 -527.42,2325.58 -485.09,2367.91 -465.37,2367.91 -448.28,2385 -133.95,2385 -93.66,2344.7 102.61,2344.7 223.84,2223.48 223.84,2198.12 J22.b39@247.37,2174.59 ; J22.b39@247.41,2174.59 253.74,2168.26 J22.b39@253.74,2165.16
MEZZ1_IO2: IC4.3 J22.c39 | length 1017.7
  Bottom Layer w5: IC4.3@-438.97,2181.1 -462.67,2181.1 -507,2225.43 -507,2319.47 -468.56,2357.91 -461.23,2357.91 -444.14,2375 -138.1,2375 -96.1,2333 9.57,2333 91.24,2251.33 145.99,2251.33 174.21,2223.11 174.21,2194.68 J22.c39@203.74,2165.16
MEZZ1_IO3: IC4.4 J22.d39 | length 914.5
  Bottom Layer w5: IC4.4@-438.97,2200.78 -462.6,2200.78 -489,2227.19 -489,2316 -440,2365 -142.24,2365 -99.24,2322 6.43,2322 90.6,2237.83 109.48,2237.83 132.37,2214.94 132.37,2182.59 149.8,2165.16 J22.d39@153.74,2165.16
MEZZ1_IO4: IC4.5 J22.e39 | length 826.3
  Bottom Layer w5: IC4.5@-438.97,2220.47 -464.03,2220.47 -477,2233.44 -477,2313 -435,2355 -153,2355 -110,2312 2.29,2312 76.77,2237.52 76.77,2192.12 J22.e39@103.74,2165.16
MEZZ1_IO5: IC4.6 J22.f39 | length 683.7
  Bottom Layer w5: IC4.6@-438.97,2240.15 -438.97,2305.91 -400.88,2344 -157.86,2344 -111.86,2298 -25.08,2298 33.64,2239.28 33.64,2189.3 47.37,2175.57 53.74,2175.57 J22.f39@53.74,2165.16
MEZZ1_IO6: IC4.7 J22.g39 | length 586.1
  Bottom Layer w5: IC4.7@-411.42,2267.71 -411.42,2319.32 -396.74,2334 -162,2334 -115.39,2287.39 -44.47,2287.39 -20,2262.93 -20,2188.9 J22.g39@3.74,2165.16
MEZZ1_IO7: IC4.8 J22.h39 | length 497.9
  Bottom Layer w5: IC4.8@-391.73,2267.71 -391.73,2312.27 -381,2323 -174,2323 -120.45,2269.45 -120.45,2204.45 -105.96,2189.96 -72.83,2189.96 -48.03,2165.16 J22.h39@-46.26,2165.16
MEZZ1_IO8: IC4.10 J22.j39 | length 371.8
  Bottom Layer w5: IC4.10@-352.36,2267.71 -351.69,2268.39 -351.69,2291.45 -333.14,2310 -253.86,2310 -190,2246.14 -190,2204 -178.91,2192.91 -125.98,2192.91 -98.23,2165.16 J22.j39@-96.26,2165.16
MEZZ1_IO9: IC4.11 J22.k39 | length 297.1
  Bottom Layer w5: IC4.11@-332.68,2267.71 -332.68,2296.32 -329,2300 -258,2300 -225.77,2267.77 -225.77,2225.63 -165.3,2165.16 J22.k39@-146.26,2165.16
MEZZ1_IO10: IC4.12 J22.a38 | length 709.6
  Top Layer w5.3: v2(-293,2267) -280.7,2254.7 -85.59,2254.7 -70.42,2239.53 -62.42,2239.53 -42.72,2219.83 -4.7,2219.83 16.7,2219.83 17.97,2218.56 248.4,2218.56 284.45,2182.51 v2(284.45,2131.89)
  Bottom Layer w5: IC4.12@-312.99,2267.71 -312.28,2267 v2(-293,2267) ; v2(284.45,2131.89) 301.18,2115.16 J22.a38@303.74,2115.16
MEZZ1_IO11: IC4.13 J22.b38 | length 623.4
  Top Layer w5.3: v2(-257.87,2239.17) -255.68,2236.98 -113.84,2236.98 -85.33,2208.47 -1.48,2208.47 -0.43,2209.53 12.43,2209.53 13.7,2208.26 210.77,2208.26 235.24,2183.79 v2(235.24,2129.92)
  Bottom Layer w5: IC4.13@-285.43,2240.15 -258.86,2240.15 v2(-257.87,2239.17) ; v2(235.24,2129.92) 250,2115.16 J22.b38@253.74,2115.16